# Altium PCB Temp Module B1 Sample.PcbDoc (part 3 of 3)
Units mm, origin at the board's own origin, x right, y up, seen from the top; angles counter-clockwise.
Board outline 139.94 x 72.9 mm, 4 copper layers (Top Layer, Int1 (GND), Int2 (PWR), Bottom Layer), stack 1.369 mm thick; 269 components, 183 nets, 894 pads, 414 vias.
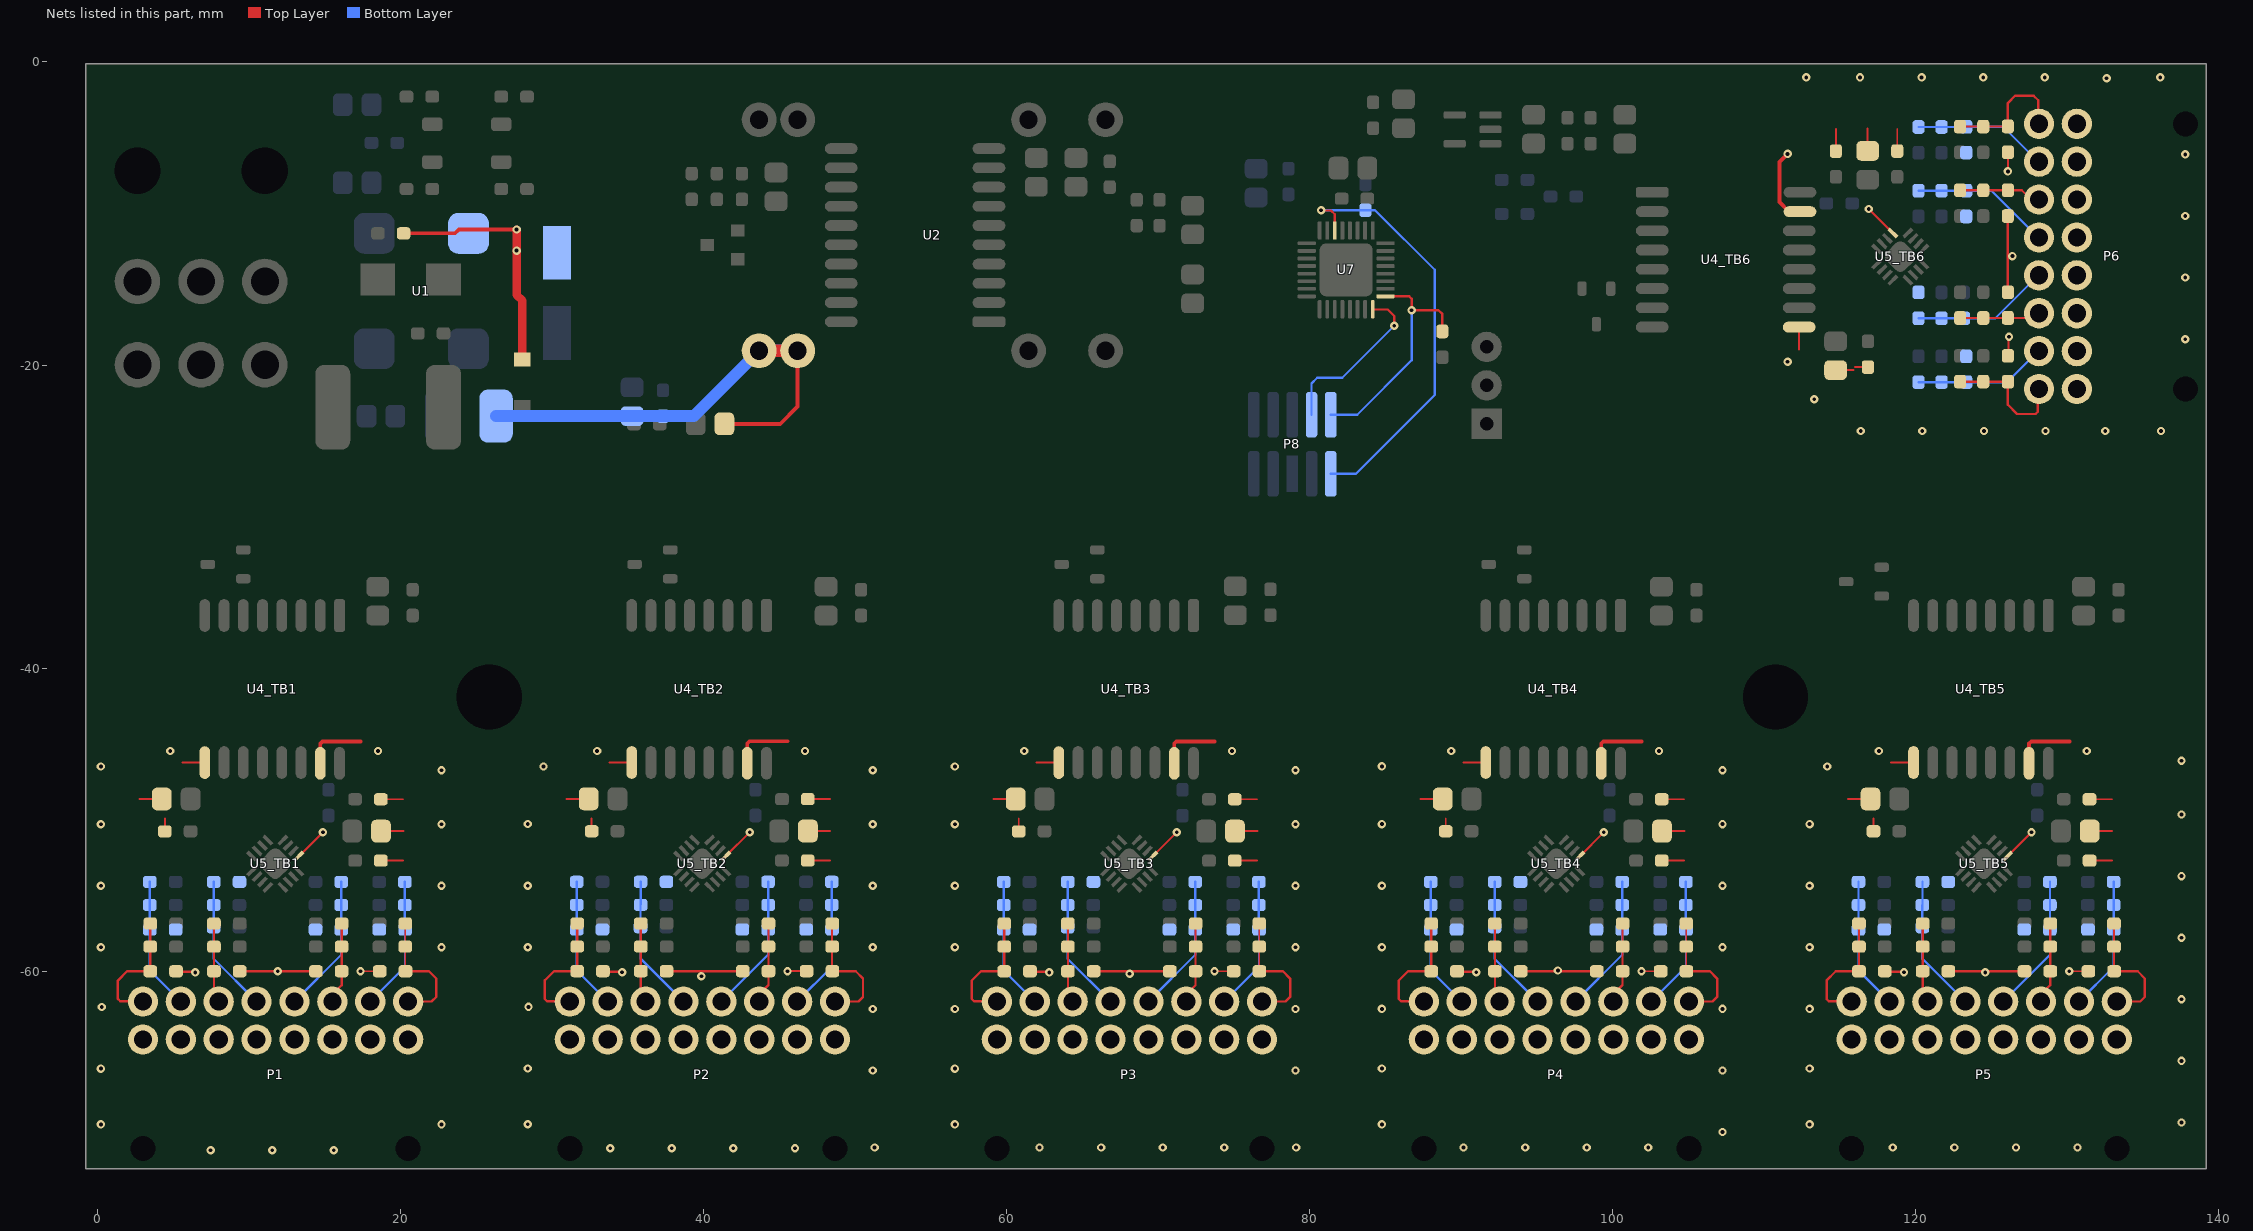
[diagram p5: the nets of this part, all layers, seen from the top]

## Via types
v1: diameter 0.55, hole 0.25, Top Layer to Bottom Layer, 414 vias

## Nets (pads, with @x,y where several pads share a name; then routed paths per layer and width w, separated by ;. In a path a pad name is that pad's centre, name@x,y a point inside that pad or via, vN(x,y) a via of type N, cw(c..) or ccw(c..) an arc to the next point about the centre after c; other vN are vias at no path point) (continued)
NRST: P8.1 R5.1 U7.6 | length 28.5
  Top Layer w0.152: v1(80.772,-9.779) 80.793,-9.8 81.428,-9.8 81.673,-10.045 U7.6@81.673,-11.116
  Bottom Layer w0.152: v1(80.772,-9.779) 84.328,-9.779 88.265,-13.716 88.265,-21.971 83.058,-27.178 P8.1@81.407,-27.178
SWCLK: P8.2 R24.2 U7.25 | length 15.9
  Top Layer w0.152: U7.25@85.023,-15.466 86.586,-15.466 86.741,-15.621 v1(86.741,-16.383) 88.519,-16.383 88.773,-16.637 R24.2@88.773,-17.78
  Bottom Layer w0.152: P8.2@81.407,-23.278 83.148,-23.278 86.741,-19.685 v1(86.741,-16.383)
SWDIO: P8.4 U7.24 | length 11.4
  Top Layer w0.152: U7.24@84.173,-16.316 84.201,-16.316 84.222,-16.337 85.171,-16.337 85.598,-16.764 v1(85.598,-17.399)
  Bottom Layer w0.152: P8.4@80.137,-23.278 80.137,-21.209 80.518,-20.828 82.169,-20.828 v1(85.598,-17.399)
TEMP_GND_TB1: C13_TB1.1 C14_TB1.1 C15_TB1.1 C16_TB1.1 C19_TB1.1 C20_TB1.1 C21_TB1.1 C22_TB1.1 C23_TB1.1 C24_TB1.1 C25_TB1.1 C26_TB1.1 C27_TB1.1 P1.9 P1.10 P1.11 P1.12 P1.13 P1.14 P1.15 P1.16 U4_TB1.9 U4_TB1.15 U5_TB1.9 | length 22.1
  Top Layer w0.127: 2.796,-48.631 C19_TB1.1@4.27,-48.631 ; C20_TB1.1@4.47,-50.764 4.47,-49.911 ; 5.638,-46.228 U4_TB1.9@7.112,-46.228 ; v1(17.386,-60) C22_TB1.1@18.65,-60 ; C26_TB1.1@18.725,-52.7 20.199,-52.7 ; C27_TB1.1@18.725,-48.65 20.199,-48.65 ; C25_TB1.1@18.737,-50.749 20.211,-50.749
  Top Layer w0.152: C13_TB1.1@5.213,-60 5.248,-60.035 6.441,-60.035 v1(6.477,-60.071) ; C21_TB1.1@9.413,-60 C14_TB1.1@14.438,-60 ; U5_TB1.9@13.319,-52.406 v1(14.9,-50.825)
  Top Layer w0.254: U4_TB1.15@14.732,-46.278 14.732,-44.98 14.881,-44.831 17.399,-44.831
  other v1: 7.493,-71.806 11.557,-71.806 15.621,-71.806 0.254,-70.104 22.733,-70.104 0.254,-66.421 0.305,-62.357 11.926,-60 0.254,-58.42 22.733,-58.42 0.254,-54.356 22.733,-54.356 0.254,-50.292 22.733,-50.292 22.733,-46.736 0.254,-46.482 4.826,-45.466 18.542,-45.466
TEMP_GND_TB2: C13_TB2.1 C14_TB2.1 C15_TB2.1 C16_TB2.1 C19_TB2.1 C20_TB2.1 C21_TB2.1 C22_TB2.1 C23_TB2.1 C24_TB2.1 C25_TB2.1 C26_TB2.1 C27_TB2.1 P2.9 P2.10 P2.11 P2.12 P2.13 P2.14 P2.15 P2.16 U4_TB2.9 U4_TB2.15 U5_TB2.9 | length 22.1
  Top Layer w0.127: 30.965,-48.625 C19_TB2.1@32.439,-48.625 ; C20_TB2.1@32.639,-50.758 32.639,-49.905 ; 33.807,-46.222 U4_TB2.9@35.281,-46.222 ; v1(45.555,-59.994) C22_TB2.1@46.819,-59.994 ; C26_TB2.1@46.894,-52.694 48.368,-52.694 ; C27_TB2.1@46.894,-48.644 48.368,-48.644 ; C25_TB2.1@46.906,-50.743 48.38,-50.743
  Top Layer w0.152: C13_TB2.1@33.382,-59.994 33.417,-60.029 34.61,-60.029 v1(34.646,-60.065) ; C21_TB2.1@37.582,-59.994 C14_TB2.1@42.607,-59.994 ; U5_TB2.9@41.487,-52.4 v1(43.069,-50.819)
  Top Layer w0.254: U4_TB2.15@42.901,-46.272 42.901,-44.974 43.049,-44.825 45.568,-44.825
  other v1: 33.858,-71.679 37.922,-71.679 41.986,-71.679 46.05,-71.679 51.308,-71.628 28.423,-70.098 51.181,-66.548 28.423,-66.415 51.181,-62.484 28.473,-62.351 39.878,-60.325 28.423,-58.414 51.181,-58.42 28.423,-54.35 51.181,-54.356 28.423,-50.286 51.181,-50.292 51.181,-46.736 29.464,-46.482 32.995,-45.46 46.711,-45.46
TEMP_GND_TB3: C13_TB3.1 C14_TB3.1 C15_TB3.1 C16_TB3.1 C19_TB3.1 C20_TB3.1 C21_TB3.1 C22_TB3.1 C23_TB3.1 C24_TB3.1 C25_TB3.1 C26_TB3.1 C27_TB3.1 P3.9 P3.10 P3.11 P3.12 P3.13 P3.14 P3.15 P3.16 U4_TB3.9 U4_TB3.15 U5_TB3.9 | length 22.1
  Top Layer w0.127: 59.145,-48.631 C19_TB3.1@60.619,-48.631 ; C20_TB3.1@60.819,-50.764 60.819,-49.911 ; 61.987,-46.228 U4_TB3.9@63.461,-46.228 ; v1(73.735,-60) C22_TB3.1@74.999,-60 ; C26_TB3.1@75.074,-52.7 76.548,-52.7 ; C27_TB3.1@75.074,-48.65 76.548,-48.65 ; C25_TB3.1@75.086,-50.749 76.56,-50.749
  Top Layer w0.152: C13_TB3.1@61.562,-60 61.598,-60.036 62.791,-60.036 v1(62.826,-60.071) ; C21_TB3.1@65.762,-60 C14_TB3.1@70.787,-60 ; U5_TB3.9@69.668,-52.406 v1(71.249,-50.825)
  Top Layer w0.254: U4_TB3.15@71.081,-46.278 71.081,-44.98 71.23,-44.831 73.748,-44.831
  other v1: 62.191,-71.628 66.255,-71.628 70.319,-71.628 74.383,-71.628 79.121,-71.628 56.603,-70.104 79.082,-66.548 56.603,-66.421 56.603,-62.484 79.082,-62.484 68.134,-60.156 56.603,-58.42 79.082,-58.42 56.603,-54.356 79.082,-54.356 56.603,-50.292 79.082,-50.292 79.082,-46.736 56.603,-46.482 61.175,-45.466 74.891,-45.466
TEMP_GND_TB4: C13_TB4.1 C14_TB4.1 C15_TB4.1 C16_TB4.1 C19_TB4.1 C20_TB4.1 C21_TB4.1 C22_TB4.1 C23_TB4.1 C24_TB4.1 C25_TB4.1 C26_TB4.1 C27_TB4.1 P4.9 P4.10 P4.11 P4.12 P4.13 P4.14 P4.15 P4.16 U4_TB4.9 U4_TB4.15 U5_TB4.9 | length 22.1
  Top Layer w0.127: 87.321,-48.629 C19_TB4.1@88.795,-48.629 ; C20_TB4.1@88.995,-50.762 88.995,-49.909 ; 90.163,-46.226 U4_TB4.9@91.637,-46.226 ; v1(101.911,-59.998) C22_TB4.1@103.175,-59.998 ; C26_TB4.1@103.25,-52.698 104.724,-52.698 ; C27_TB4.1@103.25,-48.648 104.724,-48.648 ; C25_TB4.1@103.262,-50.747 104.736,-50.747
  Top Layer w0.152: C13_TB4.1@89.738,-59.998 89.774,-60.033 90.967,-60.033 v1(91.002,-60.069) ; C21_TB4.1@93.938,-59.998 C14_TB4.1@98.963,-59.998 ; U5_TB4.9@97.844,-52.404 v1(99.425,-50.823)
  Top Layer w0.254: U4_TB4.15@99.257,-46.276 99.257,-44.978 99.406,-44.829 101.924,-44.829
  other v1: 90.17,-71.628 94.234,-71.628 98.298,-71.628 102.362,-71.628 107.258,-70.61 84.779,-70.102 107.258,-66.546 84.779,-66.419 84.779,-62.482 107.258,-62.482 96.393,-59.944 84.779,-58.418 107.258,-58.418 84.779,-54.354 107.258,-54.354 84.779,-50.29 107.258,-50.29 107.258,-46.734 84.779,-46.48 89.351,-45.464 103.067,-45.464
TEMP_GND_TB5: C13_TB5.1 C14_TB5.1 C15_TB5.1 C16_TB5.1 C19_TB5.1 C20_TB5.1 C21_TB5.1 C22_TB5.1 C23_TB5.1 C24_TB5.1 C25_TB5.1 C26_TB5.1 C27_TB5.1 P5.9 P5.10 P5.11 P5.12 P5.13 P5.14 P5.15 P5.16 U4_TB5.9 U4_TB5.15 U5_TB5.9 | length 22.1
  Top Layer w0.127: 115.546,-48.629 C19_TB5.1@117.02,-48.629 ; C20_TB5.1@117.22,-50.762 117.22,-49.909 ; 118.388,-46.226 U4_TB5.9@119.862,-46.226 ; v1(130.136,-59.998) C22_TB5.1@131.4,-59.998 ; C26_TB5.1@131.475,-52.698 132.949,-52.698 ; C27_TB5.1@131.475,-48.648 132.949,-48.648 ; C25_TB5.1@131.487,-50.747 132.961,-50.747
  Top Layer w0.152: C13_TB5.1@117.963,-59.998 117.999,-60.033 119.192,-60.033 v1(119.227,-60.069) ; C21_TB5.1@122.163,-59.998 C14_TB5.1@127.188,-59.998 ; U5_TB5.9@126.069,-52.404 v1(127.65,-50.823)
  Top Layer w0.254: U4_TB5.15@127.482,-46.276 127.482,-44.978 127.631,-44.829 130.149,-44.829
  other v1: 118.491,-71.628 122.555,-71.628 126.619,-71.628 130.683,-71.628 113.004,-70.102 137.541,-69.977 113.004,-66.419 137.541,-65.913 113.004,-62.482 137.541,-61.849 124.587,-60.071 113.004,-58.418 137.541,-57.785 113.004,-54.354 137.541,-53.721 113.004,-50.29 137.541,-49.657 114.173,-46.482 137.541,-46.101 117.576,-45.464 131.292,-45.464
TEMP_GND_TB6: C13_TB6.1 C14_TB6.1 C15_TB6.1 C16_TB6.1 C19_TB6.1 C20_TB6.1 C21_TB6.1 C22_TB6.1 C23_TB6.1 C24_TB6.1 C25_TB6.1 C26_TB6.1 C27_TB6.1 P6.9 P6.10 P6.11 P6.12 P6.13 P6.14 P6.15 P6.16 U4_TB6.9 U4_TB6.15 U5_TB6.9 | length 22.5
  Top Layer w0.127: 112.315,-18.965 U4_TB6.9@112.315,-17.491 ; C27_TB6.1@114.737,-5.878 114.737,-4.404 ; C19_TB6.1@115.062,-20.32 115.915,-20.32 ; 115.998,-20.133 C20_TB6.1@116.851,-20.133 ; C25_TB6.1@116.836,-5.866 116.836,-4.392 ; C26_TB6.1@118.787,-5.878 118.787,-4.404 ; v1(126.087,-7.217) C22_TB6.1@126.087,-5.953
  Top Layer w0.152: v1(116.912,-9.703) U5_TB6.9@118.493,-11.285 ; C13_TB6.1@126.087,-19.39 126.123,-19.355 126.123,-18.162 v1(126.158,-18.126) ; C21_TB6.1@126.087,-15.19 C14_TB6.1@126.087,-10.165
  Top Layer w0.254: v1(111.553,-6.061) 111.007,-6.608 111.007,-9.249 111.629,-9.871 U4_TB6.15@112.366,-9.871
  other v1: 116.379,-24.349 120.443,-24.349 124.507,-24.349 128.571,-24.349 132.508,-24.349 136.191,-24.349 113.309,-22.25 111.553,-19.777 137.795,-18.288 137.795,-14.224 126.383,-12.809 137.795,-10.16 137.795,-6.096 132.604,-1.071 112.776,-1.016 116.332,-1.016 120.396,-1.016 124.46,-1.016 128.524,-1.016 136.144,-1.016
TempBank1_1: C13_TB1.2 P1.8 R6_TB1.1 R8_TB1.2 | length 8.3
  Top Layer w0.152: P1.8@3.026,-62 3.002,-61.976 1.524,-61.976 1.375,-61.827 1.375,-60.608 1.983,-60 C13_TB1.2@3.513,-60 ; C13_TB1.2@3.513,-59.849 R6_TB1.1@3.513,-58.375 ; R6_TB1.1@3.513,-58.325 R8_TB1.2@3.513,-56.851
TempBank1_2: C15_TB1.2 P1.7 R10_TB1.1 R12_TB1.2 | length 8.5
  Bottom Layer w0.152: C15_TB1.2@3.481,-57.25 3.481,-59.955 P1.7@5.526,-62 ; C15_TB1.2@3.481,-57.099 R10_TB1.1@3.481,-55.625 ; R10_TB1.1@3.481,-55.575 R12_TB1.2@3.481,-54.101
TempBank1_3: C21_TB1.2 P1.6 R14_TB1.1 R16_TB1.2 | length 4.8
  Top Layer w0.152: P1.6@7.713,-61.813 C21_TB1.2@7.713,-60 ; C21_TB1.2@7.713,-59.849 R14_TB1.1@7.713,-58.375 ; R14_TB1.1@7.713,-58.325 R16_TB1.2@7.713,-56.851
TempBank1_4: C23_TB1.2 P1.5 R18_TB1.1 R20_TB1.2 | length 9
  Bottom Layer w0.152: R18_TB1.1@7.696,-55.624 R20_TB1.2@7.695,-57.099 7.695,-59.169 P1.5@10.526,-62 ; R18_TB1.1@7.7,-55.575 C23_TB1.2@7.7,-54.1
TempBank1_5: C14_TB1.2 P1.3 R7_TB1.1 R9_TB1.2 | length 5.5
  Top Layer w0.152: P1.3@15.526,-62 15.526,-61.528 16.138,-60.916 C14_TB1.2@16.138,-60 ; C14_TB1.2@16.138,-59.849 R7_TB1.1@16.138,-58.375 ; R7_TB1.1@16.138,-58.325 R9_TB1.2@16.138,-56.851
  Top Layer w0.254: P1.3@16.138,-61.813 P1.3@16.375,-62.05
TempBank1_6: C16_TB1.2 P1.4 R11_TB1.1 R13_TB1.2 | length 9
  Bottom Layer w0.152: P1.4@13.026,-62 16.113,-58.913 C16_TB1.2@16.113,-57.25 ; C16_TB1.2@16.113,-57.099 R11_TB1.1@16.113,-55.625 ; R11_TB1.1@16.113,-55.575 R13_TB1.2@16.113,-54.101
TempBank1_7: C22_TB1.2 P1.1 R15_TB1.1 R17_TB1.2 | length 8.4
  Top Layer w0.127: C22_TB1.2@20.338,-59.799 R15_TB1.1@20.338,-58.375 R17_TB1.2@20.338,-56.851
  Top Layer w0.152: C22_TB1.2@20.35,-60 21.9,-60 22.375,-60.475 22.375,-61.699 22.074,-62 P1.1@20.526,-62
TempBank1_8: C24_TB1.2 P1.2 R19_TB1.1 R21_TB1.2 | length 8.7
  Bottom Layer w0.152: P1.2@18.026,-62 20.325,-59.701 C24_TB1.2@20.325,-57.25 ; C24_TB1.2@20.313,-57.049 R19_TB1.1@20.313,-55.625 R21_TB1.2@20.313,-54.101
TempBank2_1: C13_TB2.2 P2.8 R6_TB2.1 R8_TB2.2 | length 8.3
  Top Layer w0.152: P2.8@31.195,-61.994 31.171,-61.97 29.693,-61.97 29.544,-61.821 29.544,-60.602 30.151,-59.994 C13_TB2.2@31.682,-59.994 ; C13_TB2.2@31.682,-59.843 R6_TB2.1@31.682,-58.369 ; R6_TB2.1@31.682,-58.319 R8_TB2.2@31.682,-56.845
TempBank2_2: C15_TB2.2 P2.7 R10_TB2.1 R12_TB2.2 | length 8.5
  Bottom Layer w0.152: C15_TB2.2@31.65,-57.244 31.65,-59.949 P2.7@33.695,-61.994 ; C15_TB2.2@31.649,-57.093 R10_TB2.1@31.65,-55.619 ; R10_TB2.1@31.649,-55.569 R12_TB2.2@31.65,-54.095
TempBank2_3: C21_TB2.2 P2.6 R14_TB2.1 R16_TB2.2 | length 4.8
  Top Layer w0.152: P2.6@35.882,-61.807 C21_TB2.2@35.882,-59.994 ; C21_TB2.2@35.882,-59.843 R14_TB2.1@35.882,-58.369 ; R14_TB2.1@35.882,-58.319 R16_TB2.2@35.882,-56.845
TempBank2_4: C23_TB2.2 P2.5 R18_TB2.1 R20_TB2.2 | length 9
  Bottom Layer w0.152: R18_TB2.1@35.864,-55.618 R20_TB2.2@35.864,-57.092 35.864,-59.163 P2.5@38.695,-61.994 ; R18_TB2.1@35.868,-55.568 C23_TB2.2@35.868,-54.094
TempBank2_5: C14_TB2.2 P2.3 R7_TB2.1 R9_TB2.2 | length 5.2
  Top Layer w0.152: P2.3@43.695,-61.994 43.695,-61.522 44.307,-60.91 C14_TB2.2@44.307,-59.994 ; C14_TB2.2@44.307,-59.843 R7_TB2.1@44.307,-58.369 ; R7_TB2.1@44.307,-58.319 R9_TB2.2@44.307,-56.845
TempBank2_6: C16_TB2.2 P2.4 R11_TB2.1 R13_TB2.2 | length 9
  Bottom Layer w0.152: P2.4@41.195,-61.994 44.282,-58.907 C16_TB2.2@44.282,-57.244 ; C16_TB2.2@44.282,-57.093 R11_TB2.1@44.282,-55.619 ; R11_TB2.1@44.282,-55.569 R13_TB2.2@44.282,-54.095
TempBank2_7: C22_TB2.2 P2.1 R15_TB2.1 R17_TB2.2 | length 8.4
  Top Layer w0.127: C22_TB2.2@48.507,-59.793 R15_TB2.1@48.507,-58.369 R17_TB2.2@48.507,-56.845
  Top Layer w0.152: C22_TB2.2@48.519,-59.994 50.069,-59.994 50.544,-60.469 50.544,-61.693 50.243,-61.994 P2.1@48.695,-61.994
TempBank2_8: C24_TB2.2 P2.2 R19_TB2.1 R21_TB2.2 | length 8.7
  Bottom Layer w0.152: P2.2@46.195,-61.994 48.494,-59.695 C24_TB2.2@48.494,-57.244 ; C24_TB2.2@48.482,-57.043 R19_TB2.1@48.482,-55.619 R21_TB2.2@48.482,-54.095
TempBank3_1: C13_TB3.2 P3.8 R6_TB3.1 R8_TB3.2 | length 8.3
  Top Layer w0.152: P3.8@59.375,-62 59.351,-61.976 57.873,-61.976 57.724,-61.827 57.724,-60.608 58.332,-60 C13_TB3.2@59.862,-60 ; C13_TB3.2@59.862,-59.849 R6_TB3.1@59.862,-58.375 ; R6_TB3.1@59.862,-58.325 R8_TB3.2@59.862,-56.851
TempBank3_2: C15_TB3.2 P3.7 R10_TB3.1 R12_TB3.2 | length 8.5
  Bottom Layer w0.152: C15_TB3.2@59.83,-57.25 59.83,-59.955 P3.7@61.875,-62 ; C15_TB3.2@59.83,-57.1 R10_TB3.1@59.83,-55.625 ; R10_TB3.1@59.83,-55.576 R12_TB3.2@59.83,-54.101
TempBank3_3: C21_TB3.2 P3.6 R14_TB3.1 R16_TB3.2 | length 4.8
  Top Layer w0.152: P3.6@64.062,-61.813 C21_TB3.2@64.062,-60 ; C21_TB3.2@64.062,-59.849 R14_TB3.1@64.062,-58.375 ; R14_TB3.1@64.062,-58.325 R16_TB3.2@64.062,-56.851
TempBank3_4: C23_TB3.2 P3.5 R18_TB3.1 R20_TB3.2 | length 9
  Bottom Layer w0.152: R18_TB3.1@64.045,-55.624 R20_TB3.2@64.044,-57.099 64.044,-59.169 P3.5@66.875,-62 ; R18_TB3.1@64.049,-55.575 C23_TB3.2@64.049,-54.101
TempBank3_5: C14_TB3.2 P3.3 R7_TB3.1 R9_TB3.2 | length 5.2
  Top Layer w0.152: P3.3@71.875,-62 71.875,-61.528 72.487,-60.916 C14_TB3.2@72.487,-60 ; C14_TB3.2@72.487,-59.849 R7_TB3.1@72.487,-58.375 ; R7_TB3.1@72.487,-58.325 R9_TB3.2@72.487,-56.851
TempBank3_6: C16_TB3.2 P3.4 R11_TB3.1 R13_TB3.2 | length 9
  Bottom Layer w0.152: P3.4@69.375,-62 72.462,-58.913 C16_TB3.2@72.462,-57.25 ; C16_TB3.2@72.462,-57.099 R11_TB3.1@72.462,-55.625 ; R11_TB3.1@72.462,-55.575 R13_TB3.2@72.462,-54.101
TempBank3_7: C22_TB3.2 P3.1 R15_TB3.1 R17_TB3.2 | length 8.4
  Top Layer w0.127: C22_TB3.2@76.687,-59.799 R15_TB3.1@76.687,-58.375 R17_TB3.2@76.687,-56.851
  Top Layer w0.152: C22_TB3.2@76.699,-60 78.249,-60 78.724,-60.475 78.724,-61.699 78.423,-62 P3.1@76.875,-62
TempBank3_8: C24_TB3.2 P3.2 R19_TB3.1 R21_TB3.2 | length 8.7
  Bottom Layer w0.152: P3.2@74.375,-62 76.674,-59.701 C24_TB3.2@76.674,-57.25 ; C24_TB3.2@76.662,-57.049 R19_TB3.1@76.662,-55.625 R21_TB3.2@76.662,-54.101
TempBank4_1: C13_TB4.2 P4.8 R6_TB4.1 R8_TB4.2 | length 8.3
  Top Layer w0.152: P4.8@87.551,-62 87.527,-61.974 86.049,-61.974 85.9,-61.825 85.9,-60.606 86.508,-59.998 C13_TB4.2@88.038,-59.998 ; C13_TB4.2@88.038,-59.847 R6_TB4.1@88.038,-58.373 ; R6_TB4.1@88.038,-58.323 R8_TB4.2@88.038,-56.849
TempBank4_2: C15_TB4.2 P4.7 R10_TB4.1 R12_TB4.2 | length 8.5
  Bottom Layer w0.152: C15_TB4.2@88.006,-57.248 88.006,-59.953 P4.7@90.051,-62 ; C15_TB4.2@88.006,-57.097 R10_TB4.1@88.006,-55.623 ; R10_TB4.1@88.006,-55.573 R12_TB4.2@88.006,-54.099
TempBank4_3: C21_TB4.2 P4.6 R14_TB4.1 R16_TB4.2 | length 4.8
  Top Layer w0.152: P4.6@92.238,-61.811 C21_TB4.2@92.238,-59.998 ; C21_TB4.2@92.238,-59.847 R14_TB4.1@92.238,-58.373 ; R14_TB4.1@92.238,-58.323 R16_TB4.2@92.238,-56.849
TempBank4_4: C23_TB4.2 P4.5 R18_TB4.1 R20_TB4.2 | length 9
  Bottom Layer w0.152: R18_TB4.1@92.22,-55.622 R20_TB4.2@92.22,-57.096 92.22,-59.167 P4.5@95.051,-62 ; R18_TB4.1@92.225,-55.572 C23_TB4.2@92.225,-54.098
TempBank4_5: C14_TB4.2 P4.3 R7_TB4.1 R9_TB4.2 | length 5.2
  Top Layer w0.152: P4.3@100.051,-62 100.051,-61.526 100.663,-60.914 C14_TB4.2@100.663,-59.998 ; C14_TB4.2@100.663,-59.847 R7_TB4.1@100.663,-58.373 ; R7_TB4.1@100.663,-58.323 R9_TB4.2@100.663,-56.849
TempBank4_6: C16_TB4.2 P4.4 R11_TB4.1 R13_TB4.2 | length 9
  Bottom Layer w0.152: P4.4@97.551,-62 100.638,-58.911 C16_TB4.2@100.638,-57.248 ; C16_TB4.2@100.638,-57.097 R11_TB4.1@100.638,-55.623 ; R11_TB4.1@100.638,-55.573 R13_TB4.2@100.638,-54.099
TempBank4_7: C22_TB4.2 P4.1 R15_TB4.1 R17_TB4.2 | length 8.4
  Top Layer w0.127: C22_TB4.2@104.863,-59.797 R15_TB4.1@104.863,-58.373 R17_TB4.2@104.863,-56.849
  Top Layer w0.152: C22_TB4.2@104.875,-59.998 106.425,-59.998 106.9,-60.473 106.9,-61.697 106.599,-61.998 P4.1@105.051,-62
TempBank4_8: C24_TB4.2 P4.2 R19_TB4.1 R21_TB4.2 | length 8.7
  Bottom Layer w0.152: P4.2@102.551,-62 104.85,-59.699 C24_TB4.2@104.85,-57.248 ; C24_TB4.2@104.838,-57.047 R19_TB4.1@104.838,-55.623 R21_TB4.2@104.838,-54.099
TempBank5_1: C13_TB5.2 P5.8 R6_TB5.1 R8_TB5.2 | length 8.3
  Top Layer w0.152: P5.8@115.776,-62 115.752,-61.974 114.274,-61.974 114.125,-61.825 114.125,-60.606 114.733,-59.998 C13_TB5.2@116.263,-59.998 ; C13_TB5.2@116.263,-59.847 R6_TB5.1@116.263,-58.373 ; R6_TB5.1@116.263,-58.323 R8_TB5.2@116.263,-56.849
TempBank5_2: C15_TB5.2 P5.7 R10_TB5.1 R12_TB5.2 | length 8.5
  Bottom Layer w0.152: C15_TB5.2@116.231,-57.248 116.231,-59.953 P5.7@118.276,-62 ; C15_TB5.2@116.231,-57.097 R10_TB5.1@116.231,-55.623 ; R10_TB5.1@116.231,-55.573 R12_TB5.2@116.231,-54.099
TempBank5_3: C21_TB5.2 P5.6 R14_TB5.1 R16_TB5.2 | length 4.8
  Top Layer w0.152: P5.6@120.463,-61.811 C21_TB5.2@120.463,-59.998 ; C21_TB5.2@120.463,-59.847 R14_TB5.1@120.463,-58.373 ; R14_TB5.1@120.463,-58.323 R16_TB5.2@120.463,-56.849
TempBank5_4: C23_TB5.2 P5.5 R18_TB5.1 R20_TB5.2 | length 9
  Bottom Layer w0.152: R18_TB5.1@120.445,-55.622 R20_TB5.2@120.445,-57.096 120.445,-59.167 P5.5@123.276,-62 ; R18_TB5.1@120.45,-55.572 C23_TB5.2@120.45,-54.098
TempBank5_5: C14_TB5.2 P5.3 R7_TB5.1 R9_TB5.2 | length 5.2
  Top Layer w0.152: P5.3@128.276,-62 128.276,-61.526 128.888,-60.914 C14_TB5.2@128.888,-59.998 ; C14_TB5.2@128.888,-59.847 R7_TB5.1@128.888,-58.373 ; R7_TB5.1@128.888,-58.323 R9_TB5.2@128.888,-56.849
TempBank5_6: C16_TB5.2 P5.4 R11_TB5.1 R13_TB5.2 | length 9
  Bottom Layer w0.152: P5.4@125.776,-62 128.863,-58.911 C16_TB5.2@128.863,-57.248 ; C16_TB5.2@128.863,-57.097 R11_TB5.1@128.863,-55.623 ; R11_TB5.1@128.863,-55.573 R13_TB5.2@128.863,-54.099
TempBank5_7: C22_TB5.2 P5.1 R15_TB5.1 R17_TB5.2 | length 8.4
  Top Layer w0.127: C22_TB5.2@133.088,-59.797 R15_TB5.1@133.088,-58.373 R17_TB5.2@133.088,-56.849
  Top Layer w0.152: C22_TB5.2@133.1,-59.998 134.65,-59.998 135.125,-60.473 135.125,-61.697 134.824,-61.998 P5.1@133.276,-62
TempBank5_8: C24_TB5.2 P5.2 R19_TB5.1 R21_TB5.2 | length 8.7
  Bottom Layer w0.152: P5.2@130.776,-62 133.075,-59.699 C24_TB5.2@133.075,-57.248 ; C24_TB5.2@133.063,-57.047 R19_TB5.1@133.063,-55.623 R21_TB5.2@133.063,-54.099
TempBank6_1: C13_TB6.2 P6.8 R6_TB6.1 R8_TB6.2 | length 8.3
  Top Layer w0.152: R8_TB6.2@122.938,-21.09 R6_TB6.1@124.412,-21.09 ; R6_TB6.1@124.462,-21.09 C13_TB6.2@125.936,-21.09 ; C13_TB6.2@126.087,-21.09 126.087,-22.621 126.695,-23.228 127.914,-23.228 128.063,-23.079 128.063,-21.601 P6.8@128.087,-21.577
TempBank6_2: C15_TB6.2 P6.7 R10_TB6.1 R12_TB6.2 | length 8.5
  Bottom Layer w0.152: R12_TB6.2@120.188,-21.122 R10_TB6.1@121.663,-21.123 ; R10_TB6.1@121.712,-21.122 C15_TB6.2@123.187,-21.123 ; C15_TB6.2@123.337,-21.122 126.042,-21.122 P6.7@128.087,-19.077
TempBank6_3: C21_TB6.2 P6.6 R14_TB6.1 R16_TB6.2 | length 4.8
  Top Layer w0.152: R16_TB6.2@122.938,-16.89 R14_TB6.1@124.412,-16.89 ; R14_TB6.1@124.462,-16.89 C21_TB6.2@125.936,-16.89 ; C21_TB6.2@126.087,-16.89 P6.6@127.9,-16.89
TempBank6_4: C23_TB6.2 P6.5 R18_TB6.1 R20_TB6.2 | length 9
  Bottom Layer w0.152: C23_TB6.2@120.188,-16.904 R18_TB6.1@121.662,-16.904 ; R18_TB6.1@121.711,-16.908 R20_TB6.2@123.186,-16.908 125.256,-16.908 P6.5@128.087,-14.077
TempBank6_5: C14_TB6.2 P6.3 R7_TB6.1 R9_TB6.2 | length 5.2
  Top Layer w0.152: R9_TB6.2@122.938,-8.465 R7_TB6.1@124.412,-8.465 ; R7_TB6.1@124.462,-8.465 C14_TB6.2@125.936,-8.465 ; C14_TB6.2@126.087,-8.465 127.003,-8.465 127.615,-9.077 P6.3@128.087,-9.077
TempBank6_6: C16_TB6.2 P6.4 R11_TB6.1 R13_TB6.2 | length 9
  Bottom Layer w0.152: R13_TB6.2@120.188,-8.49 R11_TB6.1@121.662,-8.49 ; R11_TB6.1@121.712,-8.49 C16_TB6.2@123.186,-8.49 ; C16_TB6.2@123.337,-8.49 125,-8.49 P6.4@128.087,-11.577
TempBank6_7: C22_TB6.2 P6.1 R15_TB6.1 R17_TB6.2 | length 8.4
  Top Layer w0.127: R17_TB6.2@122.938,-4.265 R15_TB6.1@124.462,-4.265 C22_TB6.2@125.886,-4.265
  Top Layer w0.152: C22_TB6.2@126.087,-4.253 126.087,-2.703 126.562,-2.228 127.786,-2.228 128.087,-2.529 P6.1@128.087,-4.077
TempBank6_8: C24_TB6.2 P6.2 R19_TB6.1 R21_TB6.2 | length 8.7
  Bottom Layer w0.152: R21_TB6.2@120.188,-4.29 R19_TB6.1@121.712,-4.29 C24_TB6.2@123.136,-4.29 ; C24_TB6.2@123.337,-4.278 125.788,-4.278 P6.2@128.087,-6.577
VBAT_D: C5.2 C6.2 D1.K U1.1 | length 16.3
  Top Layer w0.254: C5.2@20.23,-11.303 23.622,-11.303 23.876,-11.049 v1(27.686,-11.049)
  Top Layer w0.55: v1(27.686,-11.049) v1(27.686,-12.446) 27.686,-15.367 28.067,-15.748 D1.K@28.067,-19.634
VBAT_F: C2.2 C7.2 D2.A L1.1 U2.22 U2.23 | length 33.2
  Top Layer w0.254: D2.A@41.397,-23.876 45.085,-23.876 46.228,-22.733 U2.22@46.228,-19.05
  Top Layer w0.8: U2.23@43.688,-19.05 U2.22@46.228,-19.05
  Bottom Layer w0.8: L1.1@26.333,-23.368 39.37,-23.368 U2.23@43.688,-19.05 U2.22@46.228,-19.05
pads on no net: D4_TB1.2 D4_TB2.2 D4_TB3.2 D4_TB4.2 D4_TB5.2 D4_TB6.2 P1.17 P2.17 P3.17 P4.17 P5.17 P6.17 P8.3 P8.9 P8.10 P11. U2.9 U2.11 U3.4 U4_TB1.7 U4_TB2.7 U4_TB3.7 U4_TB4.7 U4_TB5.7 U4_TB6.7 U5_TB1.17 U5_TB2.17 U5_TB3.17 U5_TB4.17 U5_TB5.17 U5_TB6.17 U6.2 U6.14 U7.1 U7.2 U7.3 U7.7 U7.8 U7.9 U7.10 U7.11 U7.13 U7.14 U7.22 U7.23 U7.30 U7.31 U7.32

## Polygon pours and split planes (outlines as drawn)
0V_(ISO) on Top Layer "0V_(ISO)_L01_P071" (solid, pour order 71): 57.404,-0.127 57.404,-26.543 54.229,-29.718 -0.762,-29.718 -0.762,-37.973 139.192,-37.973 139.192,-28.702 109.601,-28.702 104.013,-23.114 104.013,-0.127
0V on Top Layer "0V_L01_P066" (solid, pour order 66): 53.848,-0.127 53.848,-24.511 51.181,-27.178 -0.762,-27.178 -0.762,-0.127
CANS on Top Layer "CANS_L01_P062" (solid, pour order 62): 50.546,-5.08 50.546,-17.907 47.371,-17.907 46.99,-17.526 40.767,-17.526 32.385,-9.144 15.367,-9.144 13.716,-10.795 13.716,-15.367 12.954,-16.129 -0.762,-16.129 -0.762,-0.127 30.353,-0.127 35.306,-5.08 47.498,-5.08
TEMP_GND_TB5 on Top Layer "TEMP_GND_TB5_L01_P093" (solid, pour order 93): 112.267,-73.023 112.267,-46.988 114.426,-44.829 139.192,-44.829 139.192,-73.023
TEMP_GND_TB6 on Top Layer "TEMP_GND_TB6_L01_P094" (solid, pour order 94): 139.112,-25.086 114.494,-25.086 110.918,-21.51 110.918,-0.127 139.112,-0.127
TEMP_GND_TB4 on Top Layer "TEMP_GND_TB4_L01_P085" (solid, pour order 85): 84.042,-73.023 84.042,-46.988 86.201,-44.829 106.648,-44.829 108.68,-46.861 108.68,-73.023
TEMP_GND_TB3 on Top Layer "TEMP_GND_TB3_L01_P082" (solid, pour order 82): 55.866,-73.025 55.866,-46.99 58.025,-44.831 78.472,-44.831 80.504,-46.863 80.504,-73.025
TEMP_GND_TB2 on Top Layer "TEMP_GND_TB2_L01_P077" (solid, pour order 77): 27.686,-73.025 27.686,-46.99 29.845,-44.831 50.292,-44.831 52.324,-46.863 52.324,-73.025
TEMP_GND_TB1 on Top Layer "5V_TOP_1" (solid, remove dead copper, pour order 4): 24.257,-73.025 24.257,-46.863 22.098,-44.704 -0.75,-44.704 -0.75,-73.025
NetC4_2 on Top Layer "5V_TOP_1" (solid, pour order 3): 21.378,-13.33 21.632,-13.076 24.045,-13.076 24.299,-13.33 24.299,-19.045 27.347,-22.093 29.21,-22.093 29.21,-23.49 26.305,-23.49 24.07,-25.725 21.677,-25.725 21.489,-25.537 21.489,-19.823 22.394,-18.918 22.394,-16.251 21.378,-15.235
0V_(ISO) on Bottom Layer "0V_(ISO)_L04_P067" (solid, pour order 67): 57.404,-0.127 57.404,-26.543 54.229,-29.718 -0.762,-29.718 -0.762,-37.973 139.192,-37.973 139.192,-28.702 109.601,-28.702 104.013,-23.114 104.013,-0.127
0V on Bottom Layer "0V" (solid, remove dead copper, pour order 89): -0.75,-0.127 -0.75,-27.178 51.308,-27.178 53.848,-24.638 53.848,-0.127
TEMP_GND_TB5 on Bottom Layer "TEMP_GND_TB5_L04_P083" (solid, pour order 83): 112.267,-73.023 112.267,-46.988 114.426,-44.829 139.192,-44.829 139.192,-73.023
TEMP_GND_TB6 on Bottom Layer "TEMP_GND_TB6_L04_P088" (solid, pour order 88): 139.112,-25.086 114.494,-25.086 110.918,-21.51 110.918,-0.127 139.112,-0.127
TEMP_GND_TB4 on Bottom Layer "TEMP_GND_TB4_L04_P081" (solid, pour order 81): 84.042,-73.023 84.042,-46.988 86.201,-44.829 106.648,-44.829 108.68,-46.861 108.68,-73.023
TEMP_GND_TB3 on Bottom Layer "TEMP_GND_TB3_L04_P076" (solid, pour order 76): 55.866,-73.025 55.866,-46.99 58.025,-44.831 78.472,-44.831 80.504,-46.863 80.504,-73.025
TEMP_GND_TB2 on Bottom Layer "TEMP_GND_TB2_L04_P075" (solid, pour order 75): 27.686,-73.025 27.686,-46.99 29.845,-44.831 50.292,-44.831 52.324,-46.863 52.324,-73.025
TEMP_GND_TB1 on Bottom Layer "5V_TOP_1" (solid, remove dead copper, pour order 46): 24.257,-73.025 24.257,-46.863 22.098,-44.704 -0.75,-44.704 -0.75,-73.025
NetC1_2 on Bottom Layer "NETC1_2_L04_P012" (solid, pour order 12): 21.463,-21.59 22.987,-20.066 22.987,-17.78 23.495,-17.272 25.781,-17.272 26.162,-17.653 26.162,-20.193 24.003,-22.352 24.003,-25.146 23.876,-25.273 21.717,-25.273 21.463,-25.019
CANS on Bottom Layer "CANS_L04_P063" (solid, pour order 63): 50.546,-5.08 50.546,-17.907 47.371,-17.907 46.99,-17.526 40.767,-17.526 32.385,-9.144 15.367,-9.144 13.716,-10.795 13.716,-15.367 12.954,-16.129 -0.762,-16.129 -0.762,-0.127 30.353,-0.127 35.306,-5.08 47.498,-5.08
VBAT_D on Bottom Layer "5V_TOP_1" (solid, pour order 26): 22.987,-12.319 23.495,-12.827 26.162,-12.827 27.813,-14.478 31.115,-14.478 31.623,-13.97 31.623,-11.43 29.972,-9.779 23.114,-9.779 22.987,-9.906
5V on Int2 (PWR) "5V_L03_P064" (solid, pour order 64): 57.404,-0.127 57.404,-26.543 54.229,-29.718 -0.762,-29.718 -0.762,-37.973 139.192,-37.973 139.192,-28.702 109.601,-28.702 104.013,-23.114 104.013,-0.127
3V3 on Int2 (PWR) "5V_TOP_1" (solid, pour order 29): 85.852,-4.318 88.392,-4.318 95.631,-11.557 95.631,-29.464 80.923,-29.464 72.39,-20.931 72.39,-4.318
0V on Int2 (PWR) "0V" (solid, remove dead copper, pour order 101): -0.75,-0.127 -0.75,-27.178 51.308,-27.178 53.848,-24.638 53.848,-0.127
3V3_TEMP_TB6 on Int2 (PWR) "5V_TOP_1" (solid, pour order 99): 126.462,-2.759 113.508,-2.759 113.508,-22.952 126.462,-22.952
3V3_TEMP_TB5 on Int2 (PWR) "5V_TOP_1" (solid, pour order 98): 134.594,-60.325 134.594,-47.371 114.401,-47.371 114.401,-60.325
3V3_TEMP_TB4 on Int2 (PWR) "5V_TOP_1" (solid, pour order 97): 106.369,-60.325 106.369,-47.371 86.176,-47.371 86.176,-60.325
3V3_TEMP_TB3 on Int2 (PWR) "5V_TOP_1" (solid, pour order 96): 78.193,-60.325 78.193,-47.371 58,-47.371 58,-60.325
3V3_TEMP_TB2 on Int2 (PWR) "5V_TOP_1" (solid, pour order 73): 50.013,-60.325 50.013,-47.371 29.82,-47.371 29.82,-60.325
3V3_TEMP_TB1 on Int2 (PWR) "5V_TOP_1" (solid, pour order 30): 21.844,-60.325 21.844,-47.371 1.651,-47.371 1.651,-60.325
CANS on Int2 (PWR) "CANS_L03_P045" (solid, pour order 45): 50.546,-5.08 50.546,-17.907 47.371,-17.907 46.99,-17.526 40.767,-17.526 32.385,-9.144 15.367,-9.144 13.716,-10.795 13.716,-15.367 12.954,-16.129 -0.762,-16.129 -0.762,-0.127 30.353,-0.127 35.306,-5.08 47.498,-5.08
0V_(ISO) on Int1 (GND) "0V_(ISO)_L02_P074" (solid, pour order 74): 57.404,-0.127 57.404,-26.543 54.229,-29.718 -0.762,-29.718 -0.762,-37.973 139.192,-37.973 139.192,-28.702 109.601,-28.702 104.013,-23.114 104.013,-0.127
0V on Int1 (GND) "0V_L02_P068" (solid, pour order 68): 53.848,-0.127 53.848,-24.511 51.181,-27.178 -0.762,-27.178 -0.762,-0.127
TEMP_GND_TB5 on Int1 (GND) "TEMP_GND_TB5_L02_P092" (solid, pour order 92): 112.267,-73.023 112.267,-46.988 114.426,-44.829 139.192,-44.829 139.192,-73.023
TEMP_GND_TB6 on Int1 (GND) "TEMP_GND_TB6_L02_P095" (solid, pour order 95): 139.112,-25.086 114.494,-25.086 110.918,-21.51 110.918,-0.127 139.112,-0.127
TEMP_GND_TB4 on Int1 (GND) "TEMP_GND_TB4_L02_P084" (solid, pour order 84): 84.042,-73.023 84.042,-46.988 86.201,-44.829 106.648,-44.829 108.68,-46.861 108.68,-73.023
TEMP_GND_TB3 on Int1 (GND) "TEMP_GND_TB3_L02_P080" (solid, pour order 80): 55.866,-73.025 55.866,-46.99 58.025,-44.831 78.472,-44.831 80.504,-46.863 80.504,-73.025
TEMP_GND_TB2 on Int1 (GND) "TEMP_GND_TB2_L02_P078" (solid, pour order 78): 27.686,-73.025 27.686,-46.99 29.845,-44.831 50.292,-44.831 52.324,-46.863 52.324,-73.025
TEMP_GND_TB1 on Int1 (GND) "5V_TOP_1" (solid, remove dead copper, pour order 47): 24.257,-73.025 24.257,-46.863 22.098,-44.704 -0.75,-44.704 -0.75,-73.025
CANS on Int1 (GND) "CANS_L02_P065" (solid, pour order 65): 50.546,-5.08 50.546,-17.907 47.371,-17.907 46.99,-17.526 40.767,-17.526 32.385,-9.144 15.367,-9.144 13.716,-10.795 13.716,-15.367 12.954,-16.129 -0.762,-16.129 -0.762,-0.127 30.353,-0.127 35.306,-5.08 47.498,-5.08

## Silkscreen, mask and mechanical layers (free items; w line width, h text height)
Top Overlay:
  lines w0.254: -0.762,-37.973 139.192,-37.973 ; -0.762,-29.718 52.578,-29.718 54.229,-29.718 57.404,-26.543 57.404,-2.032 57.404,-0.127 ; -0.762,-27.178 3.46,-27.178 ; -0.75,-44.831 2.159,-44.831 22.106,-44.831 24.172,-46.897 24.172,-73.025 ; 27.691,-73.025 27.691,-46.99 29.85,-44.831 50.313,-44.831 52.35,-46.868 52.35,-73.025 ; 53.848,-0.127 53.848,-24.638 51.308,-27.178 3.46,-27.178 ; 54.15,-4.064 57.15,-4.064 ; 55.875,-73.025 55.875,-46.995 58.034,-44.836 77.465,-44.836 78.34,-44.836 80.522,-47.018 80.522,-73.025 ; 84.05,-73.025 84.05,-46.995 86.209,-44.836 106.558,-44.836 108.7,-46.978 108.7,-73.025 ; 103.975,-0.125 103.975,-23.076 109.549,-28.65 139.192,-28.65 ; 110.989,-0.1 110.989,-21.565 114.524,-25.1 139.192,-25.1 ; 112.264,-73.025 112.264,-46.99 114.423,-44.831 133.854,-44.831 133.848,-44.825 139.192,-44.825 ; 122.75,-44.025 123.275,-44.55 ; 122.75,-38.775 123.275,-38.25 ; 123.8,-44.025 123.275,-44.55 ; 123.8,-38.775 123.275,-38.25 ; 127.075,-28.375 127.075,-25.375 ; 3.46,-27.178 3.46,-27.178 ; 123.275,-44.55 123.275,-38.25
  text "6.6mm" at 121.817,-39.2 h1.52 r270
Bottom Overlay:
  region: 6 vertices and 6 holes, not listed, extent 122.707,-32.64 138.938,-28.682
  lines w0.254: -0.762,-37.973 139.192,-37.973 ; -0.762,-29.718 52.578,-29.718 54.229,-29.718 57.404,-26.543 57.404,-0.127 ; -0.762,-27.178 3.46,-27.178 51.308,-27.178 53.848,-24.638 53.848,-0.127 ; -0.75,-44.831 22.106,-44.831 24.172,-46.897 24.172,-73.025 ; 27.691,-73.025 27.691,-46.99 29.85,-44.831 50.313,-44.831 51.313,-45.831 52.35,-46.868 52.35,-73.025 ; 55.875,-73.025 55.875,-46.995 58.034,-44.836 78.336,-44.836 80.52,-47.02 ; 80.522,-73.025 80.522,-47.018 ; 84.05,-73.025 84.05,-46.995 86.209,-44.836 106.558,-44.836 108.7,-46.978 108.7,-73.025 ; 103.975,-0.15 103.975,-23.076 109.549,-28.65 139.192,-28.65 ; 110.989,-0.1 110.989,-21.565 114.512,-25.088 139.192,-25.088 ; 112.264,-73.025 112.264,-46.99 114.423,-44.831 133.854,-44.831 133.848,-44.825 139.192,-44.825 ; 122.75,-44.025 123.275,-44.55 ; 122.75,-38.775 123.275,-38.25 ; 123.8,-44.025 123.275,-44.55 ; 123.8,-38.775 123.275,-38.25 ; 123.275,-44.55 123.275,-38.25
  text "CAN TERM" at 29.98,-5.99 h1.8
  text "AUX. BANK" at 114.077,-10.799 h1.8 r90
  text "BOOT" at 94.877,-16.626 h1.8
  text "JTAG" at 80.783,-31.104 h1.8
  text "Temp Module C1" at 138.937,-34.183 h1.5
  text "L.D - 03/06/2025" at 138.937,-35.554 h1.5
  text "6.6mm" at 121.892,-43.275 h1.52 r270
  text "BANK 2" at 42.039,-46.822 h1.8
  text "BANK 1" at 14.348,-46.887 h1.8
  text "BANK 3" at 70.223,-46.89 h1.8
  text "BANK 4" at 98.392,-46.895 h1.8
  text "BANK 5" at 126.501,-46.89 h1.8
Mechanical 1:
  the board outline again, w0.254
Drill Drawing:
  circle w0.254: c-2.778,24.913 r0.847
  lines w0.254: -3.625,14.33 -1.931,14.33 -2.778,12.636 -3.625,14.33 ; -3.625,16.447 -2.778,16.87 -1.931,16.447 -2.355,17.293 -1.931,18.14 -2.778,17.716 -3.625,18.14 -3.201,17.293 -3.625,16.447 ; -3.625,20.256 -3.625,20.68 -3.201,21.103 -3.625,21.526 -3.625,21.95 -3.201,21.95 -2.778,21.526 -2.355,21.95 -1.931,21.95 -1.931,21.526 -2.355,21.103 -1.931,20.68 -1.931,20.256 -2.355,20.256 -2.778,20.68 -3.201,20.256 -3.625,20.256 ; -3.625,27.877 -1.931,27.877 -1.931,29.57 -3.625,29.57 -3.625,27.877 ; -3.625,32.11 -3.201,32.11 -3.201,31.686 -2.355,31.686 -2.355,32.11 -1.931,32.11 -1.931,32.956 -2.355,32.956 -2.355,33.38 -3.201,33.38 -3.201,32.956 -3.625,32.956 -3.625,32.11 ; -3.625,35.92 -3.201,35.92 -2.778,35.496 -2.355,35.92 -1.931,35.92 -2.355,36.343 -1.931,36.766 -2.355,36.766 -2.778,37.19 -3.201,36.766 -3.625,36.766 -3.201,36.343 -3.625,35.92
  lines w0.381: -5.143,11.493 263.87,11.493 ; -5.143,38.163 263.87,38.163 ; 8.849,7.683 8.849,41.974 ; 24.085,7.683 24.085,41.974 ; 53.286,7.683 53.286,41.974 ; 66.135,7.683 66.135,41.974 ; 84.774,7.683 84.774,41.974 ; 122.863,7.683 122.863,41.974 ; 137.845,7.683 137.845,41.974 ; 156.788,7.683 156.788,41.974 ; 173.294,7.683 173.294,41.974 ; 194.979,7.683 194.979,41.974 ; 228.853,7.683 228.853,41.974 ; -5.143,7.683 263.87,7.683 263.87,41.974 -5.143,41.974 -5.143,7.683
  text "Symbol" at -2.857,39.306 h1.83
  text "Count" at 9.992,39.306 h1.83
  text "Hole Size" at 25.228,39.306 h1.83
  text "Plated" at 54.429,39.306 h1.83
  text "Hole Type" at 67.278,39.306 h1.83
  text "Drill Layer Pair" at 85.917,39.306 h1.83
  text "Via/Pad" at 124.006,39.306 h1.83
  text "Pad Shape" at 138.988,39.306 h1.83
  text "Template" at 157.931,39.306 h1.83
  text "Description" at 174.437,39.306 h1.83
  text "Hole Tolerance (+)" at 196.122,39.306 h1.83
  text "Hole Tolerance (-)" at 229.996,39.306 h1.83
  text "2" at 9.992,35.496 h1.52
  text "3.050mm (120.08mil)" at 25.228,35.496 h1.52
  text "PTH" at 54.429,35.496 h1.52
  text "Round" at 67.278,35.496 h1.52
  text "Top Layer - Bottom Layer" at 85.917,35.496 h1.52
  text "Pad" at 124.006,35.496 h1.52
  text "Rounded" at 138.988,35.496 h1.52
  text "c152h305" at 157.931,35.496 h1.52
  text "2" at 9.992,31.686 h1.52
  text "4.300mm (169.29mil)" at 25.228,31.686 h1.52
  text "NPTH" at 54.429,31.686 h1.52
  text "Round" at 67.278,31.686 h1.52
  text "Top Layer - Bottom Layer" at 85.917,31.686 h1.52
  text "Pad" at 124.006,31.686 h1.52
  text "Rounded" at 138.988,31.686 h1.52
  text "c0hn430" at 157.931,31.686 h1.52
  text "3" at 9.992,27.877 h1.52
  text "0.900mm (35.43mil)" at 25.228,27.877 h1.52
  text "PTH" at 54.429,27.877 h1.52
  text "Round" at 67.278,27.877 h1.52
  text "Top Layer - Bottom Layer" at 85.917,27.877 h1.52
  text "Pad" at 124.006,27.877 h1.52
  text "(Mixed)" at 138.988,27.877 h1.52
  text "(Mixed)" at 157.931,27.877 h1.52
  text "6" at 9.992,24.066 h1.52
  text "1.850mm (72.84mil)" at 25.228,24.066 h1.52
  text "PTH" at 54.429,24.066 h1.52
  text "Round" at 67.278,24.066 h1.52
  text "Top Layer - Bottom Layer" at 85.917,24.066 h1.52
  text "Pad" at 124.006,24.066 h1.52
  text "Rounded" at 138.988,24.066 h1.52
  text "c300h185" at 157.931,24.066 h1.52
  text "12" at 9.992,20.256 h1.52
  text "1.650mm (64.96mil)" at 25.228,20.256 h1.52
  text "PTH" at 54.429,20.256 h1.52
  text "Round" at 67.278,20.256 h1.52
  text "Top Layer - Bottom Layer" at 85.917,20.256 h1.52
  text "Pad" at 124.006,20.256 h1.52
  text "Rounded" at 138.988,20.256 h1.52
  text "c0h165" at 157.931,20.256 h1.52
  text "104" at 9.992,16.447 h1.52
  text "1.200mm (47.24mil)" at 25.228,16.447 h1.52
  text "PTH" at 54.429,16.447 h1.52
  text "Round" at 67.278,16.447 h1.52
  text "Top Layer - Bottom Layer" at 85.917,16.447 h1.52
  text "Pad" at 124.006,16.447 h1.52
  text "Rounded" at 138.988,16.447 h1.52
  text "(Mixed)" at 157.931,16.447 h1.52
  text "414" at 9.992,12.636 h1.52
  text "0.250mm (9.84mil)" at 25.228,12.636 h1.52
  text "PTH" at 54.429,12.636 h1.52
  text "Round" at 67.278,12.636 h1.52
  text "Top Layer - Bottom Layer" at 85.917,12.636 h1.52
  text "Via" at 124.006,12.636 h1.52
  text "Rounded" at 138.988,12.636 h1.52
  text "v55h25" at 157.931,12.636 h1.52
  text "543 Total" at 9.992,8.826 h1.52
  text "FABRICATION NOTES" at 157.959,-3.253 h3
  text "1. QUANTITY: 5" at 157.959,-8.349 h3
  text "2. SIZE: 140mm x71mm" at 157.959,-13.446 h3
  text "3. LAYERS: 4" at 157.959,-18.542 h3
  text "4. COPPER WEIGHT: 2oz" at 157.959,-22.639 h3
  text "5. SOLDER MASK: Red" at 158.184,-27.499 h3
  text "6. SILKSCREEN: White" at 158.184,-32.596 h3
  text "7. SURFACE FINISH: ENIG" at 158.184,-37.692 h3
  text "8. TOTAL THICKNESS: 1.6mm" at 157.675,-42.65 h3
  text "9. VIAS: TENTED" at 157.975,-47.575 h3

## Dimensions
-0.75,-0.127 to 24.257,-73.025 on Drill Drawing

## Text inside footprints (layer, text, board x,y; h text height)
C6: Bottom Overlay "+" at 33.853,-20.836 h1.52 r270